# Altium PCB PCB2-v2.PcbDoc (part 2 of 8)
Units mil, origin at the board's own origin, x right, y up, seen from the top; angles counter-clockwise.
Board outline 4330.71 x 4330.71 mil, 2 copper layers (Top Layer, Bottom Layer); 153 components, 127 nets, 575 pads, 933 vias.
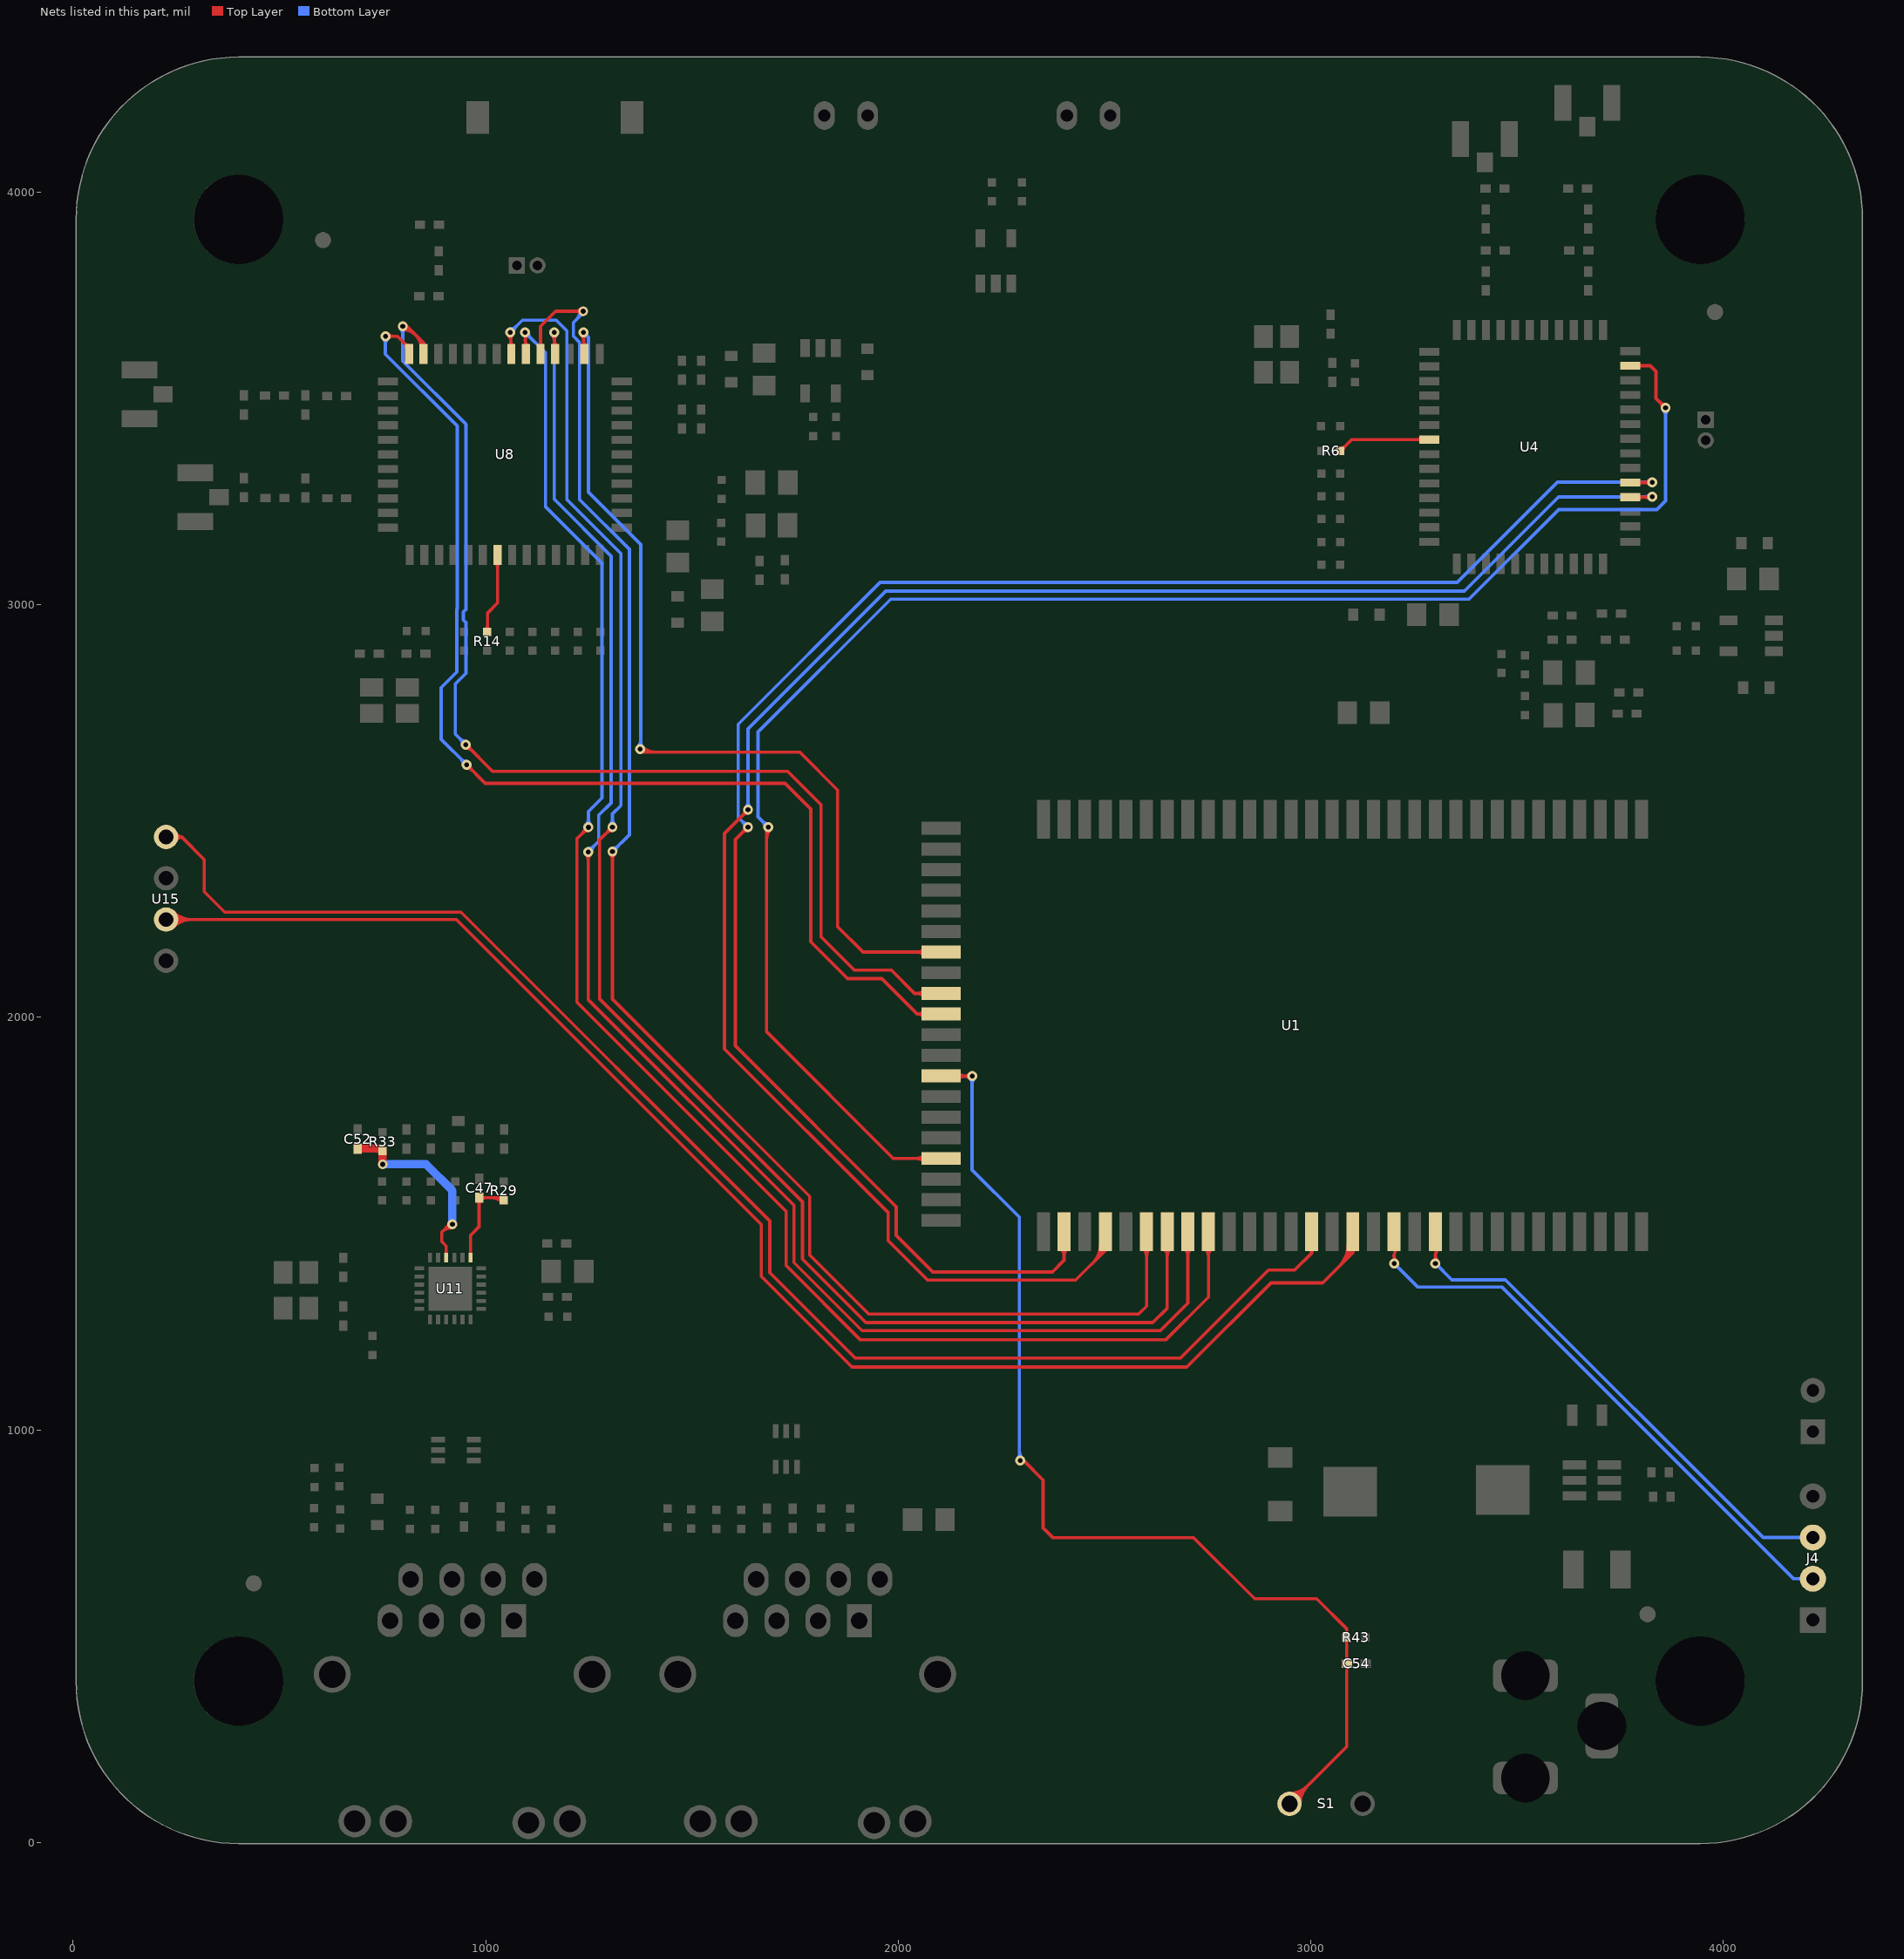
[diagram p2: the nets of this part, all layers, seen from the top]

## Via types
v1: diameter 24, hole 12, Top Layer to Bottom Layer, tented both sides, 931 vias
v2: diameter 78.74, hole 51.18, Top Layer to Bottom Layer, 2 vias

## Nets (pads, with @x,y where several pads share a name; then routed paths per layer and width w, separated by ;. In a path a pad name is that pad's centre, name@x,y a point inside that pad or via, vN(x,y) a via of type N, cw(c..) or ccw(c..) an arc to the next point about the centre after c; other vN are vias at no path point) (continued)
BT0_RX: U1.4 U4.40 | length 5520.1
  Top Layer w8: v1(1635.89,2502.89) 1578.89,2445.89 1578.89,1923.03 1975.69,1526.23 1975.69,1458.09 2070.89,1362.89 2429.89,1362.89 2501.96,1434.97 U1.4@2501.96,1480.2 ; U4.40@3774.6,3260.67 v1@3827.89,3260.67 ; 1622.23,2489.24 cw(c1635.89,2475.58) v1@1635.89,2494.89 ; 1622.23,2489.24 ccw(c1608.57,2502.89) v1@1627.89,2502.89 ; 1622.23,2489.24 cw(c1635.89,2475.58) v1@1635.89,2494.89 ; 1622.23,2489.24 ccw(c1608.57,2502.89) v1@1627.89,2502.89 ; 1622.23,2489.24 ccw(c1608.57,2502.89) v1@1627.89,2502.89 ; 1622.23,2489.24 cw(c1635.89,2475.58) v1@1635.89,2494.89 ; 1622.23,2489.24 ccw(c1608.57,2502.89) v1@1627.89,2502.89 ; 1622.23,2489.24 cw(c1635.89,2475.58) v1@1635.89,2494.89 ; 2472.2,1405.21 ccw(c2428.7,1448.7) U1.4@2490.22,1448.7 ; 2472.2,1405.21 ccw(c2428.7,1448.7) U1.4@2490.22,1448.7 ; 2472.2,1405.21 ccw(c2428.7,1448.7) U1.4@2490.22,1448.7 ; 2472.2,1405.21 ccw(c2428.7,1448.7) U1.4@2490.22,1448.7 ; 2485.86,1418.86 ccw(c2456.02,1448.7) U1.4@2498.22,1448.7 ; 2485.86,1418.86 ccw(c2456.02,1448.7) U1.4@2498.22,1448.7 ; 2485.86,1418.86 ccw(c2456.02,1448.7) U1.4@2498.22,1448.7 ; 2485.86,1418.86 ccw(c2456.02,1448.7) U1.4@2498.22,1448.7 ; 2499.51,1432.52 ccw(c2483.33,1448.7) U1.4@2506.22,1448.7 ; 2499.51,1432.52 ccw(c2483.33,1448.7) U1.4@2506.22,1448.7 ; 2499.51,1432.52 ccw(c2483.33,1448.7) U1.4@2506.22,1448.7 ; 2499.51,1432.52 ccw(c2483.33,1448.7) U1.4@2506.22,1448.7 ; U4.40@3793.5,3256.54 cw(c3803.47,3246.57) 3803.47,3260.67 ; U4.40@3793.5,3256.54 cw(c3803.47,3246.57) 3803.47,3260.67 ; U4.40@3793.5,3256.54 cw(c3803.47,3246.57) 3803.47,3260.67 ; U4.40@3793.5,3256.54 cw(c3803.47,3246.57) 3803.47,3260.67 ; U4.40@3793.5,3264.8 ccw(c3803.47,3274.78) 3803.47,3260.67 ; U4.40@3793.5,3264.8 ccw(c3803.47,3274.78) 3803.47,3260.67 ; U4.40@3793.5,3264.8 ccw(c3803.47,3274.78) 3803.47,3260.67 ; U4.40@3793.5,3264.8 ccw(c3803.47,3274.78) 3803.47,3260.67 ; 3806.35,3260.67 ccw(c3806.35,3283.13) v1@3822.23,3267.25 ; 3806.35,3260.67 ccw(c3806.35,3283.13) v1@3822.23,3267.25 ; 3806.35,3260.67 ccw(c3806.35,3283.13) v1@3822.23,3267.25 ; 3806.35,3260.67 ccw(c3806.35,3283.13) v1@3822.23,3267.25 ; 3810.8,3260.67 cw(c3810.8,3244.5) v1@3822.23,3255.94 ; 3810.8,3260.67 cw(c3810.8,3244.5) v1@3822.23,3255.94 ; 3810.8,3260.67 cw(c3810.8,3244.5) v1@3822.23,3255.94 ; 3810.8,3260.67 cw(c3810.8,3244.5) v1@3822.23,3255.94
  Bottom Layer w8: v1(1635.89,2502.89) 1635.89,2699.54 1969.52,3033.18 2155.8,3033.18 2155.86,3033.24 3372.23,3033.24 3600.59,3261.59 v1(3827.89,3261.59) ; v1@1630.23,2508.55 ccw(c1616.57,2522.21) 1635.89,2522.21 ; v1@1630.23,2508.55 ccw(c1616.57,2522.21) 1635.89,2522.21 ; v1@1630.23,2508.55 ccw(c1616.57,2522.21) 1635.89,2522.21 ; v1@1630.23,2508.55 ccw(c1616.57,2522.21) 1635.89,2522.21 ; 1635.89,2522.21 ccw(c1655.2,2522.21) v1@1641.54,2508.55 ; 1635.89,2522.21 ccw(c1655.2,2522.21) v1@1641.54,2508.55 ; 1635.89,2522.21 ccw(c1655.2,2522.21) v1@1641.54,2508.55 ; 1635.89,2522.21 ccw(c1655.2,2522.21) v1@1641.54,2508.55 ; 3808.57,3261.59 cw(c3808.57,3242.28) v1@3822.23,3255.94 ; 3808.57,3261.59 ccw(c3808.57,3280.91) v1@3822.23,3267.25 ; 3808.57,3261.59 cw(c3808.57,3242.28) v1@3822.23,3255.94 ; 3808.57,3261.59 ccw(c3808.57,3280.91) v1@3822.23,3267.25 ; 3808.57,3261.59 ccw(c3808.57,3280.91) v1@3822.23,3267.25 ; 3808.57,3261.59 cw(c3808.57,3242.28) v1@3822.23,3255.94 ; 3808.57,3261.59 ccw(c3808.57,3280.91) v1@3822.23,3267.25 ; 3808.57,3261.59 cw(c3808.57,3242.28) v1@3822.23,3255.94
BT0_TX: U1.2 U4.41 | length 5216.7
  Top Layer w8: v1@1639.89,2460.89 v1(1635.89,2460.89) 1634.89,2460.89 1604.89,2430.89 1604.89,1930.89 1995.3,1540.48 1995.3,1471.48 2083.89,1382.89 2373.89,1382.89 2401.96,1410.97 U1.2@2401.96,1480.2 ; U4.41@3774.6,3296.11 v1@3827.89,3296.11 ; 1620.52,2446.53 cw(c1635.89,2431.17) v1@1635.89,2452.89 ; 1620.52,2446.53 cw(c1635.89,2431.17) v1@1635.89,2452.89 ; 1620.52,2446.53 cw(c1635.89,2431.17) v1@1635.89,2452.89 ; 1620.52,2446.53 cw(c1635.89,2431.17) v1@1635.89,2452.89 ; 1622.94,2448.94 ccw(c1610.99,2460.89) v1@1627.89,2460.89 ; 1622.94,2448.94 ccw(c1610.99,2460.89) v1@1627.89,2460.89 ; 1622.94,2448.94 ccw(c1610.99,2460.89) v1@1627.89,2460.89 ; 1622.94,2448.94 ccw(c1610.99,2460.89) v1@1627.89,2460.89 ; U1.2@2393.66,1440.4 cw(c2373.6,1420.34) 2401.96,1420.34 ; U1.2@2393.66,1440.4 cw(c2373.6,1420.34) 2401.96,1420.34 ; U1.2@2393.66,1440.4 cw(c2373.6,1420.34) 2401.96,1420.34 ; U1.2@2393.66,1440.4 cw(c2373.6,1420.34) 2401.96,1420.34 ; 2401.96,1420.34 cw(c2430.33,1420.34) U1.2@2410.27,1440.4 ; 2401.96,1420.34 cw(c2430.33,1420.34) U1.2@2410.27,1440.4 ; 2401.96,1420.34 cw(c2430.33,1420.34) U1.2@2410.27,1440.4 ; 2401.96,1420.34 cw(c2430.33,1420.34) U1.2@2410.27,1440.4 ; U4.41@3793.5,3291.97 cw(c3803.47,3282) 3803.47,3296.11 ; U4.41@3793.5,3291.97 cw(c3803.47,3282) 3803.47,3296.11 ; U4.41@3793.5,3291.97 cw(c3803.47,3282) 3803.47,3296.11 ; U4.41@3793.5,3291.97 cw(c3803.47,3282) 3803.47,3296.11 ; U4.41@3793.5,3300.24 ccw(c3803.47,3310.21) 3803.47,3296.11 ; U4.41@3793.5,3300.24 ccw(c3803.47,3310.21) 3803.47,3296.11 ; U4.41@3793.5,3300.24 ccw(c3803.47,3310.21) 3803.47,3296.11 ; U4.41@3793.5,3300.24 ccw(c3803.47,3310.21) 3803.47,3296.11 ; 3806.35,3296.11 ccw(c3806.35,3318.56) v1@3822.23,3302.68 ; 3806.35,3296.11 ccw(c3806.35,3318.56) v1@3822.23,3302.68 ; 3806.35,3296.11 ccw(c3806.35,3318.56) v1@3822.23,3302.68 ; 3806.35,3296.11 ccw(c3806.35,3318.56) v1@3822.23,3302.68 ; 3810.8,3296.11 cw(c3810.8,3279.94) v1@3822.23,3291.37 ; 3810.8,3296.11 cw(c3810.8,3279.94) v1@3822.23,3291.37 ; 3810.8,3296.11 cw(c3810.8,3279.94) v1@3822.23,3291.37 ; 3810.8,3296.11 cw(c3810.8,3279.94) v1@3822.23,3291.37
  Bottom Layer w8: v1(1635.89,2460.89) 1611.89,2484.89 1611.89,2710.27 1955.88,3054.27 3355.26,3054.27 3598.02,3297.03 v1(3827.89,3297.03) ; 1622.23,2474.55 cw(c1608.57,2460.89) v1@1627.89,2460.89 ; 1622.23,2474.55 ccw(c1635.89,2488.21) v1@1635.89,2468.89 ; 1622.23,2474.55 cw(c1608.57,2460.89) v1@1627.89,2460.89 ; 1622.23,2474.55 ccw(c1635.89,2488.21) v1@1635.89,2468.89 ; 1622.23,2474.55 ccw(c1635.89,2488.21) v1@1635.89,2468.89 ; 1622.23,2474.55 cw(c1608.57,2460.89) v1@1627.89,2460.89 ; 1622.23,2474.55 ccw(c1635.89,2488.21) v1@1635.89,2468.89 ; 1622.23,2474.55 cw(c1608.57,2460.89) v1@1627.89,2460.89 ; 3808.57,3297.03 cw(c3808.57,3277.71) v1@3822.23,3291.37 ; 3808.57,3297.03 ccw(c3808.57,3316.34) v1@3822.23,3302.68 ; 3808.57,3297.03 cw(c3808.57,3277.71) v1@3822.23,3291.37 ; 3808.57,3297.03 ccw(c3808.57,3316.34) v1@3822.23,3302.68 ; 3808.57,3297.03 ccw(c3808.57,3316.34) v1@3822.23,3302.68 ; 3808.57,3297.03 cw(c3808.57,3277.71) v1@3822.23,3291.37 ; 3808.57,3297.03 ccw(c3808.57,3316.34) v1@3822.23,3302.68 ; 3808.57,3297.03 cw(c3808.57,3277.71) v1@3822.23,3291.37
BT0_WAKE: U1.77 U4.49 | length 4848.3
  Top Layer w8: v1@1680.89,2459.89 1685.89,2454.89 1680.89,2449.89 1680.89,1964.89 1987.86,1657.92 U1.77@2103.93,1657.92 ; U4.49@3774.6,3579.57 3823.07,3579.57 3836.97,3565.67 3836.97,3500.44 v1(3859.89,3477.52) ; 1680.89,2431.92 cw(c1713.86,2431.92) v1@1690.54,2455.24 ; 1680.89,2431.92 cw(c1713.86,2431.92) v1@1690.54,2455.24 ; 1680.89,2431.92 cw(c1713.86,2431.92) v1@1690.54,2455.24 ; 1680.89,2431.92 cw(c1713.86,2431.92) v1@1690.54,2455.24 ; 2044.07,1657.92 cw(c2044.07,1629.55) U1.77@2064.13,1649.61 ; 2044.07,1657.92 ccw(c2044.07,1686.28) U1.77@2064.13,1666.22 ; 2044.07,1657.92 cw(c2044.07,1629.55) U1.77@2064.13,1649.61 ; 2044.07,1657.92 ccw(c2044.07,1686.28) U1.77@2064.13,1666.22 ; 2044.07,1657.92 ccw(c2044.07,1686.28) U1.77@2064.13,1666.22 ; 2044.07,1657.92 cw(c2044.07,1629.55) U1.77@2064.13,1649.61 ; 2044.07,1657.92 ccw(c2044.07,1686.28) U1.77@2064.13,1666.22 ; 2044.07,1657.92 cw(c2044.07,1629.55) U1.77@2064.13,1649.61 ; U4.49@3793.5,3575.44 cw(c3803.47,3565.47) 3803.47,3579.57 ; U4.49@3793.5,3575.44 cw(c3803.47,3565.47) 3803.47,3579.57 ; U4.49@3793.5,3575.44 cw(c3803.47,3565.47) 3803.47,3579.57 ; U4.49@3793.5,3575.44 cw(c3803.47,3565.47) 3803.47,3579.57 ; U4.49@3793.5,3583.7 ccw(c3803.47,3593.68) 3803.47,3579.57 ; U4.49@3793.5,3583.7 ccw(c3803.47,3593.68) 3803.47,3579.57 ; U4.49@3793.5,3583.7 ccw(c3803.47,3593.68) 3803.47,3579.57 ; U4.49@3793.5,3583.7 ccw(c3803.47,3593.68) 3803.47,3579.57 ; 3846.23,3491.18 cw(c3832.57,3477.52) v1@3851.89,3477.52 ; 3846.23,3491.18 ccw(c3859.89,3504.84) v1@3859.89,3485.52 ; 3846.23,3491.18 cw(c3832.57,3477.52) v1@3851.89,3477.52 ; 3846.23,3491.18 ccw(c3859.89,3504.84) v1@3859.89,3485.52 ; 3846.23,3491.18 ccw(c3859.89,3504.84) v1@3859.89,3485.52 ; 3846.23,3491.18 cw(c3832.57,3477.52) v1@3851.89,3477.52 ; 3846.23,3491.18 ccw(c3859.89,3504.84) v1@3859.89,3485.52 ; 3846.23,3491.18 cw(c3832.57,3477.52) v1@3851.89,3477.52
  Bottom Layer w8: v1(1684.89,2460.89) 1659.89,2485.89 1659.89,2691.58 1981.8,3013.49 3383.48,3013.49 3600.89,3230.89 3838.89,3230.89 3859.89,3251.89 v1(3859.89,3477.52) ; 1671.23,2474.55 cw(c1657.57,2460.89) v1@1676.89,2460.89 ; 1671.23,2474.55 ccw(c1684.89,2488.21) v1@1684.89,2468.89 ; 1671.23,2474.55 cw(c1657.57,2460.89) v1@1676.89,2460.89 ; 1671.23,2474.55 ccw(c1684.89,2488.21) v1@1684.89,2468.89 ; 1671.23,2474.55 ccw(c1684.89,2488.21) v1@1684.89,2468.89 ; 1671.23,2474.55 cw(c1657.57,2460.89) v1@1676.89,2460.89 ; 1671.23,2474.55 ccw(c1684.89,2488.21) v1@1684.89,2468.89 ; 1671.23,2474.55 cw(c1657.57,2460.89) v1@1676.89,2460.89 ; v1@3854.23,3471.87 cw(c3840.57,3458.21) 3859.89,3458.21 ; v1@3854.23,3471.87 cw(c3840.57,3458.21) 3859.89,3458.21 ; v1@3854.23,3471.87 cw(c3840.57,3458.21) 3859.89,3458.21 ; v1@3854.23,3471.87 cw(c3840.57,3458.21) 3859.89,3458.21 ; 3859.89,3458.21 cw(c3879.2,3458.21) v1@3865.54,3471.87 ; 3859.89,3458.21 cw(c3879.2,3458.21) v1@3865.54,3471.87 ; 3859.89,3458.21 cw(c3879.2,3458.21) v1@3865.54,3471.87 ; 3859.89,3458.21 cw(c3879.2,3458.21) v1@3865.54,3471.87
BT1_CTS: U1.9 U8.42 | length 4353.3
  Top Layer w8: 1095.96,3640.33 ccw(c1115.11,3640.33) U8.42@1101.57,3626.8 ; 1095.96,3643.46 cw(c1112.13,3643.46) v1@1100.7,3654.89 ; v1(1248.87,2460.58) 1221.1,2432.8 1221.1,2036.39 1728.45,1529.04 1728.45,1397.83 1908.19,1218.09 2648.08,1218.09 2751.96,1321.97 U1.9@2751.96,1480.2 ; 1235.21,2446.92 cw(c1248.87,2433.26) v1@1248.87,2452.58 ; 1235.21,2446.92 ccw(c1221.56,2460.58) v1@1240.87,2460.58 ; 1235.21,2446.92 ccw(c1221.56,2460.58) v1@1240.87,2460.58 ; 1235.21,2446.92 cw(c1248.87,2433.26) v1@1248.87,2452.58 ; 1235.21,2446.92 ccw(c1221.56,2460.58) v1@1240.87,2460.58 ; 1235.21,2446.92 cw(c1248.87,2433.26) v1@1248.87,2452.58 ; U1.9@2743.66,1440.4 cw(c2723.6,1420.34) 2751.96,1420.34 ; U1.9@2743.66,1440.4 cw(c2723.6,1420.34) 2751.96,1420.34 ; U1.9@2743.66,1440.4 cw(c2723.6,1420.34) 2751.96,1420.34 ; U1.9@2743.66,1440.4 cw(c2723.6,1420.34) 2751.96,1420.34 ; 2751.96,1420.34 cw(c2780.33,1420.34) U1.9@2760.27,1440.4 ; 2751.96,1420.34 cw(c2780.33,1420.34) U1.9@2760.27,1440.4 ; 2751.96,1420.34 cw(c2780.33,1420.34) U1.9@2760.27,1440.4 ; 2751.96,1420.34 cw(c2780.33,1420.34) U1.9@2760.27,1440.4
  Bottom Layer w8: v1(1095.04,3660.55) 1145.16,3610.43 1145.16,3237.18 1281.5,3100.84 1281.5,2531.67 1248.87,2499.04 v1(1248.87,2460.58) ; v1@1095.04,3652.55 cw(c1095.04,3633.23) 1108.7,3646.89 ; v1@1095.04,3652.55 cw(c1095.04,3633.23) 1108.7,3646.89 ; v1@1095.04,3652.55 cw(c1095.04,3633.23) 1108.7,3646.89 ; v1@1103.04,3660.55 ccw(c1122.35,3660.55) 1108.7,3646.89 ; v1@1103.04,3660.55 ccw(c1122.35,3660.55) 1108.7,3646.89 ; v1@1103.04,3660.55 ccw(c1122.35,3660.55) 1108.7,3646.89 ; v1@1243.21,2466.23 ccw(c1229.56,2479.89) 1248.87,2479.89 ; v1@1243.21,2466.23 ccw(c1229.56,2479.89) 1248.87,2479.89 ; v1@1243.21,2466.23 ccw(c1229.56,2479.89) 1248.87,2479.89 ; 1248.87,2479.89 ccw(c1268.18,2479.89) v1@1254.53,2466.23 ; 1248.87,2479.89 ccw(c1268.18,2479.89) v1@1254.53,2466.23 ; 1248.87,2479.89 ccw(c1268.18,2479.89) v1@1254.53,2466.23
BT1_HOST_WAKE: U1.70 U8.50 | length 3457.9
  Top Layer w8: v1(756.89,3650.89) 785.89,3650.89 813.97,3622.81 U8.50@813.97,3607.9 ; v1(953.89,2611.89) 998.64,2567.14 1725.54,2567.14 1787.89,2504.79 1787.89,2182.89 1877.13,2093.65 1960.35,2093.65 2046.07,2007.92 ; U1.70@2103.93,2007.92 2046.07,2007.92 ; v1@762.54,3645.24 cw(c776.2,3631.58) 776.2,3650.89 ; v1@762.54,3645.24 cw(c776.2,3631.58) 776.2,3650.89 ; v1@762.54,3645.24 cw(c776.2,3631.58) 776.2,3650.89 ; v1@762.54,3645.24 cw(c776.2,3631.58) 776.2,3650.89 ; v1@762.54,3656.55 ccw(c776.2,3670.21) 776.2,3650.89 ; v1@762.54,3656.55 ccw(c776.2,3670.21) 776.2,3650.89 ; v1@762.54,3656.55 ccw(c776.2,3670.21) 776.2,3650.89 ; v1@762.54,3656.55 ccw(c776.2,3670.21) 776.2,3650.89 ; 803.9,3632.88 cw(c793.68,3622.66) U8.50@808.13,3622.66 ; 803.9,3632.88 cw(c793.68,3622.66) U8.50@808.13,3622.66 ; 803.9,3632.88 cw(c793.68,3622.66) U8.50@808.13,3622.66 ; 803.9,3632.88 cw(c793.68,3622.66) U8.50@808.13,3622.66 ; 804.24,3632.54 ccw(c813.97,3642.27) U8.50@813.97,3628.51 ; 804.24,3632.54 ccw(c813.97,3642.27) U8.50@813.97,3628.51 ; 804.24,3632.54 ccw(c813.97,3642.27) U8.50@813.97,3628.51 ; 804.24,3632.54 ccw(c813.97,3642.27) U8.50@813.97,3628.51 ; v1@953.89,2603.89 cw(c953.89,2584.58) 967.54,2598.24 ; v1@953.89,2603.89 cw(c953.89,2584.58) 967.54,2598.24 ; v1@953.89,2603.89 cw(c953.89,2584.58) 967.54,2598.24 ; v1@961.89,2611.89 ccw(c981.2,2611.89) 967.54,2598.24 ; v1@961.89,2611.89 ccw(c981.2,2611.89) 967.54,2598.24 ; v1@961.89,2611.89 ccw(c981.2,2611.89) 967.54,2598.24 ; 2046.07,2007.92 cw(c2046.07,1984.21) U1.70@2063.7,2000.06 ; 2046.07,2007.92 ccw(c2046.07,2031.62) U1.70@2063.7,2015.77 ; 2046.07,2007.92 ccw(c2046.07,2031.62) U1.70@2063.7,2015.77 ; 2046.07,2007.92 cw(c2046.07,1984.21) U1.70@2063.7,2000.06 ; 2046.07,2007.92 ccw(c2046.07,2031.62) U1.70@2063.7,2015.77 ; 2046.07,2007.92 cw(c2046.07,1984.21) U1.70@2063.7,2000.06
  Bottom Layer w8: v1(756.89,3650.89) 756.89,3607.25 930.89,3433.25 930.89,2990.46 929.89,2989.46 929.89,2837.23 891.89,2799.23 891.89,2673.89 v1(953.89,2611.89) ; v1@751.23,3645.24 cw(c737.57,3631.58) 756.89,3631.58 ; v1@751.23,3645.24 cw(c737.57,3631.58) 756.89,3631.58 ; v1@751.23,3645.24 cw(c737.57,3631.58) 756.89,3631.58 ; v1@751.23,3645.24 cw(c737.57,3631.58) 756.89,3631.58 ; 756.89,3631.58 cw(c776.2,3631.58) v1@762.54,3645.24 ; 756.89,3631.58 cw(c776.2,3631.58) v1@762.54,3645.24 ; 756.89,3631.58 cw(c776.2,3631.58) v1@762.54,3645.24 ; 756.89,3631.58 cw(c776.2,3631.58) v1@762.54,3645.24 ; 940.23,2625.55 cw(c926.57,2611.89) v1@945.89,2611.89 ; 940.23,2625.55 ccw(c953.89,2639.21) v1@953.89,2619.89 ; 940.23,2625.55 ccw(c953.89,2639.21) v1@953.89,2619.89 ; 940.23,2625.55 cw(c926.57,2611.89) v1@945.89,2611.89 ; 940.23,2625.55 ccw(c953.89,2639.21) v1@953.89,2619.89 ; 940.23,2625.55 cw(c926.57,2611.89) v1@945.89,2611.89
BT1_REG_ON: U1.67 U8.38 | length 2993.5
  Top Layer w8: U8.38@1237.69,3607.26 v1@1237.69,3660.55 ; v1@1374.54,2650.53 1382.54,2642.53 1761.25,2642.53 1853.08,2550.69 1853.08,2219.69 1914.86,2157.92 U1.67@2103.93,2157.92 ; v1@1231.12,3654.89 cw(c1215.23,3639.01) 1237.69,3639.01 ; v1@1231.12,3654.89 cw(c1215.23,3639.01) 1237.69,3639.01 ; v1@1231.12,3654.89 cw(c1215.23,3639.01) 1237.69,3639.01 ; v1@1231.12,3654.89 cw(c1215.23,3639.01) 1237.69,3639.01 ; U8.38@1235.04,3626.8 ccw(c1228.63,3633.21) 1237.69,3633.21 ; U8.38@1235.04,3626.8 ccw(c1228.63,3633.21) 1237.69,3633.21 ; U8.38@1235.04,3626.8 ccw(c1228.63,3633.21) 1237.69,3633.21 ; U8.38@1235.04,3626.8 ccw(c1228.63,3633.21) 1237.69,3633.21 ; 1237.69,3640.33 ccw(c1256.84,3640.33) U8.38@1243.3,3626.8 ; 1237.69,3640.33 ccw(c1256.84,3640.33) U8.38@1243.3,3626.8 ; 1237.69,3640.33 ccw(c1256.84,3640.33) U8.38@1243.3,3626.8 ; 1237.69,3640.33 ccw(c1256.84,3640.33) U8.38@1243.3,3626.8 ; 1237.69,3643.46 cw(c1253.86,3643.46) v1@1242.43,3654.89 ; 1237.69,3643.46 cw(c1253.86,3643.46) v1@1242.43,3654.89 ; 1237.69,3643.46 cw(c1253.86,3643.46) v1@1242.43,3654.89 ; 1237.69,3643.46 cw(c1253.86,3643.46) v1@1242.43,3654.89 ; v1(1374.54,2649.86) ccw(c1392.24,2667.56) 1392.24,2642.53 ; v1(1374.54,2649.86) ccw(c1392.24,2667.56) 1392.24,2642.53 ; v1(1374.54,2649.86) ccw(c1392.24,2667.56) 1392.24,2642.53 ; v1@1380.2,2655.52 ccw(c1411.56,2686.87) 1411.56,2642.53 ; v1@1380.2,2655.52 ccw(c1411.56,2686.87) 1411.56,2642.53 ; v1@1380.2,2655.52 ccw(c1411.56,2686.87) 1411.56,2642.53 ; 2044.07,2157.92 cw(c2044.07,2129.55) U1.67@2064.13,2149.61 ; 2044.07,2157.92 ccw(c2044.07,2186.28) U1.67@2064.13,2166.22 ; 2044.07,2157.92 cw(c2044.07,2129.55) U1.67@2064.13,2149.61 ; 2044.07,2157.92 ccw(c2044.07,2186.28) U1.67@2064.13,2166.22 ; 2044.07,2157.92 ccw(c2044.07,2186.28) U1.67@2064.13,2166.22 ; 2044.07,2157.92 cw(c2044.07,2129.55) U1.67@2064.13,2149.61 ; 2044.07,2157.92 ccw(c2044.07,2186.28) U1.67@2064.13,2166.22 ; 2044.07,2157.92 cw(c2044.07,2129.55) U1.67@2064.13,2149.61
  Bottom Layer w8: v1(1236.77,3660.55) 1249.32,3648 ; v1@1376.01,2654.19 1376.01,3146.15 1249.32,3272.84 1249.32,3648 ; v1@1237.27,3652.56 cw(c1238.24,3636.93) 1249.31,3648 ; v1@1237.27,3652.56 cw(c1238.24,3636.93) 1249.31,3648 ; v1@1237.27,3652.56 cw(c1238.24,3636.93) 1249.31,3648 ; v1@1237.27,3652.56 cw(c1238.24,3636.93) 1249.31,3648 ; v1@1244.76,3660.05 ccw(c1260.39,3659.08) 1249.31,3648 ; v1@1244.76,3660.05 ccw(c1260.39,3659.08) 1249.31,3648 ; v1@1244.76,3660.05 ccw(c1260.39,3659.08) 1249.31,3648 ; v1@1244.76,3660.05 ccw(c1260.39,3659.08) 1249.31,3648 ; v1@1368.89,2655.52 ccw(c1351.7,2672.7) 1376.01,2672.7 ; v1@1368.89,2655.52 ccw(c1351.7,2672.7) 1376.01,2672.7 ; v1@1368.89,2655.52 ccw(c1351.7,2672.7) 1376.01,2672.7 ; 1376.01,2665.64 ccw(c1390.33,2665.64) v1@1380.2,2655.52 ; 1376.01,2665.64 ccw(c1390.33,2665.64) v1@1380.2,2655.52 ; 1376.01,2665.64 ccw(c1390.33,2665.64) v1@1380.2,2655.52
BT1_RTS: U1.7 U8.43 | length 4642.3
  Top Layer w8: U8.43@1060.53,3607.9 v1@1060.53,3660.55 ; v1(1307.25,2460.98) 1275.79,2429.52 1275.79,2044.95 1767.66,1553.08 1767.66,1413.92 1921.72,1259.86 2616.85,1259.86 2651.96,1294.97 U1.7@2651.96,1480.2 ; v1@1053.95,3654.89 cw(c1038.07,3639.01) 1060.53,3639.01 ; v1@1053.95,3654.89 cw(c1038.07,3639.01) 1060.53,3639.01 ; v1@1053.95,3654.89 cw(c1038.07,3639.01) 1060.53,3639.01 ; v1@1053.95,3654.89 cw(c1038.07,3639.01) 1060.53,3639.01 ; U8.43@1057.87,3626.8 ccw(c1051.46,3633.21) 1060.53,3633.21 ; U8.43@1057.87,3626.8 ccw(c1051.46,3633.21) 1060.53,3633.21 ; U8.43@1057.87,3626.8 ccw(c1051.46,3633.21) 1060.53,3633.21 ; U8.43@1057.87,3626.8 ccw(c1051.46,3633.21) 1060.53,3633.21 ; 1060.53,3640.33 ccw(c1079.67,3640.33) U8.43@1066.14,3626.8 ; 1060.53,3640.33 ccw(c1079.67,3640.33) U8.43@1066.14,3626.8 ; 1060.53,3640.33 ccw(c1079.67,3640.33) U8.43@1066.14,3626.8 ; 1060.53,3640.33 ccw(c1079.67,3640.33) U8.43@1066.14,3626.8 ; 1060.53,3643.46 cw(c1076.7,3643.46) v1@1065.26,3654.89 ; 1060.53,3643.46 cw(c1076.7,3643.46) v1@1065.26,3654.89 ; 1060.53,3643.46 cw(c1076.7,3643.46) v1@1065.26,3654.89 ; 1060.53,3643.46 cw(c1076.7,3643.46) v1@1065.26,3654.89 ; 1293.59,2447.32 cw(c1307.25,2433.66) v1@1307.25,2452.98 ; 1293.59,2447.32 ccw(c1279.94,2460.98) v1@1299.25,2460.98 ; 1293.59,2447.32 cw(c1307.25,2433.66) v1@1307.25,2452.98 ; 1293.59,2447.32 ccw(c1279.94,2460.98) v1@1299.25,2460.98 ; 1293.59,2447.32 ccw(c1279.94,2460.98) v1@1299.25,2460.98 ; 1293.59,2447.32 cw(c1307.25,2433.66) v1@1307.25,2452.98 ; 1293.59,2447.32 ccw(c1279.94,2460.98) v1@1299.25,2460.98 ; 1293.59,2447.32 cw(c1307.25,2433.66) v1@1307.25,2452.98 ; U1.7@2643.66,1440.4 cw(c2623.6,1420.34) 2651.96,1420.34 ; U1.7@2643.66,1440.4 cw(c2623.6,1420.34) 2651.96,1420.34 ; U1.7@2643.66,1440.4 cw(c2623.6,1420.34) 2651.96,1420.34 ; U1.7@2643.66,1440.4 cw(c2623.6,1420.34) 2651.96,1420.34 ; 2651.96,1420.34 cw(c2680.33,1420.34) U1.7@2660.27,1440.4 ; 2651.96,1420.34 cw(c2680.33,1420.34) U1.7@2660.27,1440.4 ; 2651.96,1420.34 cw(c2680.33,1420.34) U1.7@2660.27,1440.4 ; 2651.96,1420.34 cw(c2680.33,1420.34) U1.7@2660.27,1440.4